# Altium PCB DT01.PcbDoc (part 2 of 3)
Units mil, origin at the board's own origin, x right, y up, seen from the top; angles counter-clockwise.
Board outline 2134.7 x 2226.1 mil, 2 copper layers (Top Layer, Bottom Layer), stack 57.918 mil thick; 95 components, 87 nets, 468 pads, 300 vias.
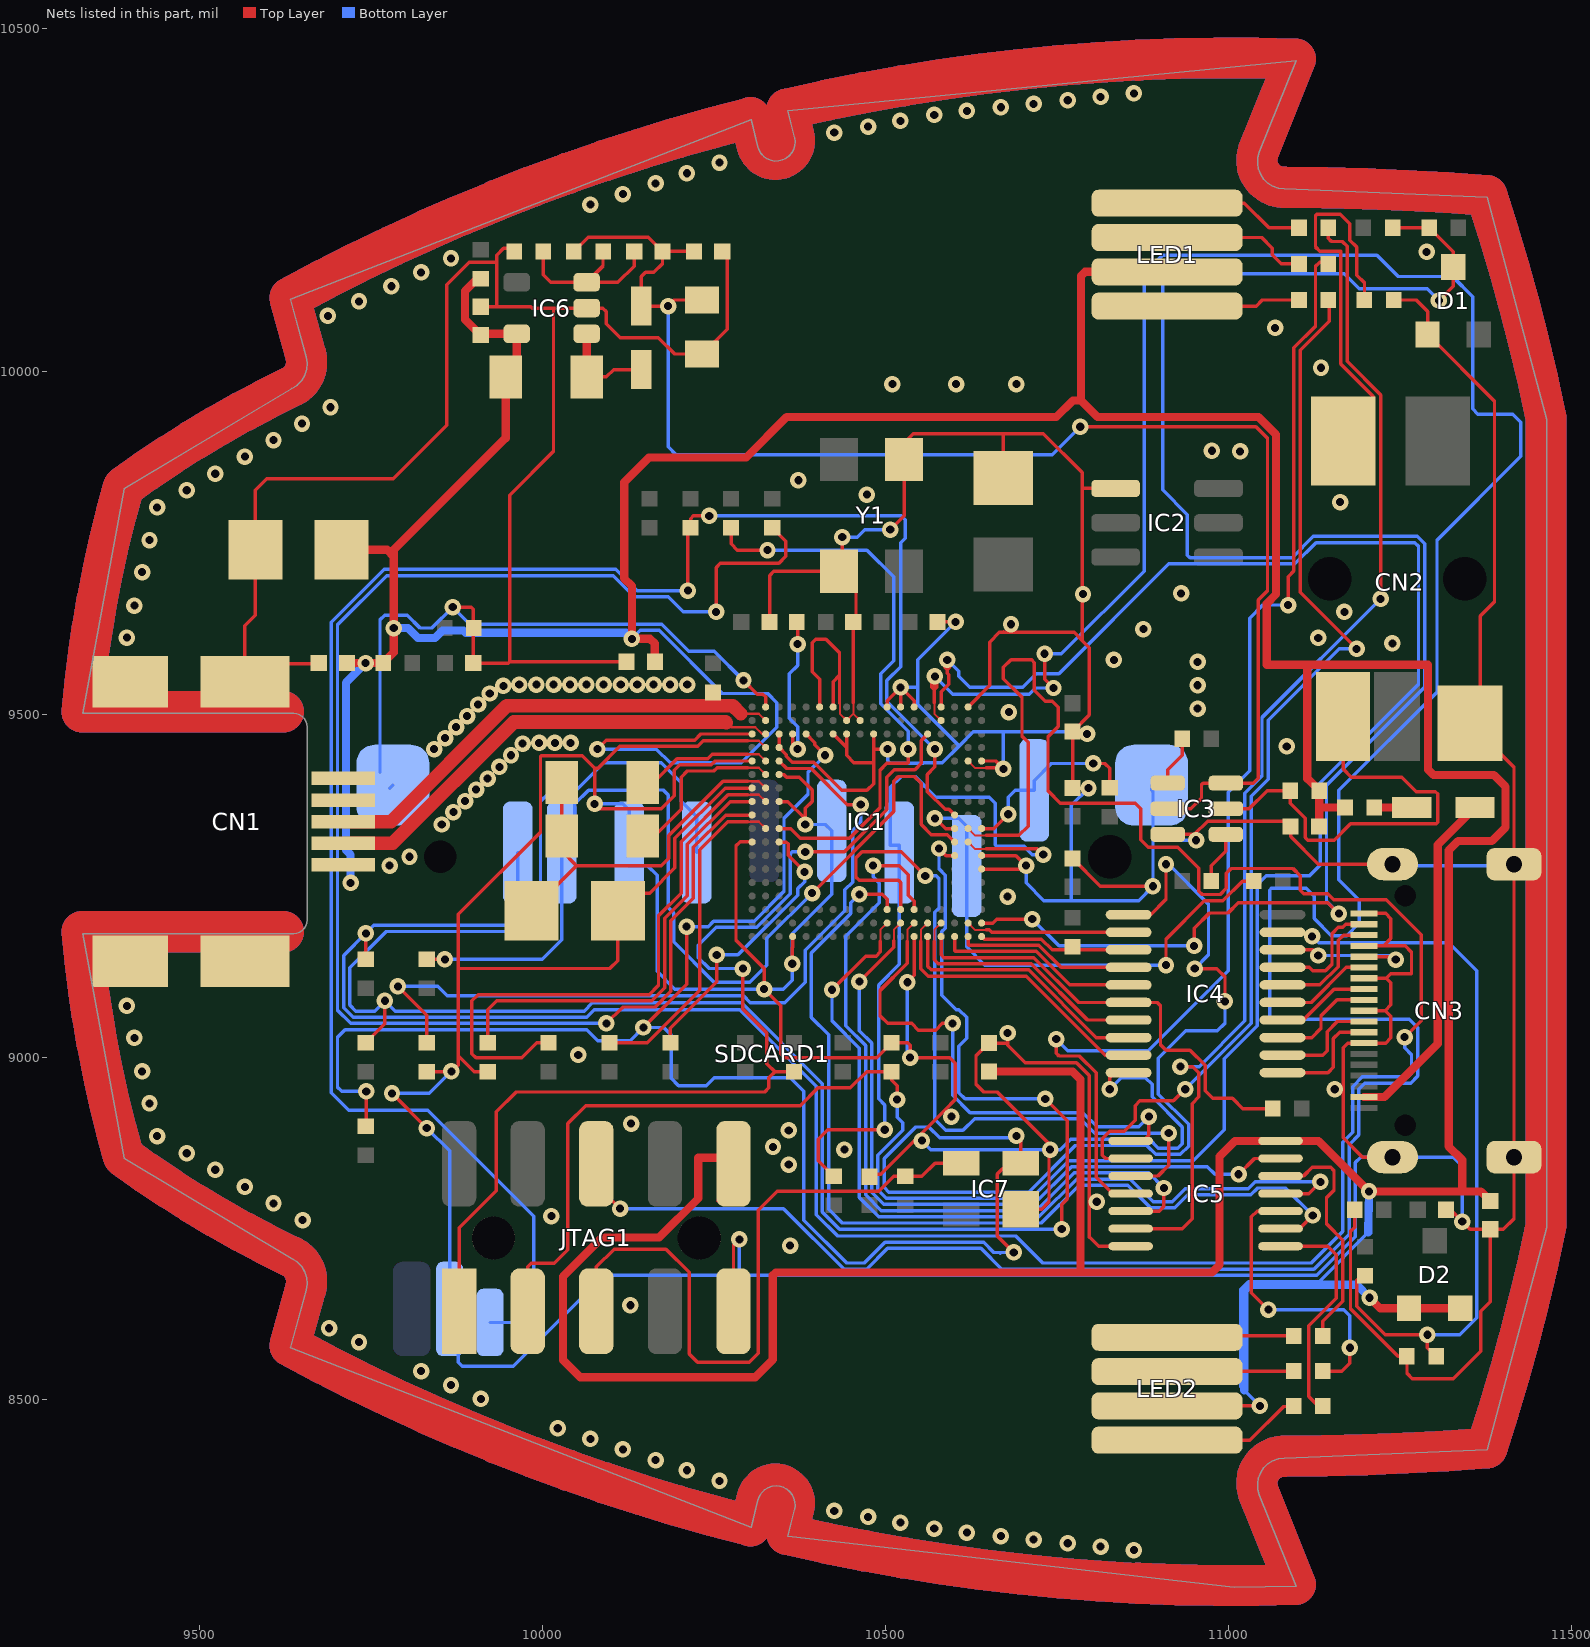
[diagram p2: the nets of this part, all layers, seen from the top]

## Via types
v1: diameter 24, hole 11.81, Top Layer to Bottom Layer, tented both sides, 295 vias
v2: diameter 24.02, hole 11.81, Top Layer to Bottom Layer, tented both sides, 5 vias

## Nets (pads, with @x,y where several pads share a name; then routed paths per layer and width w, separated by ;. In a path a pad name is that pad's centre, name@x,y a point inside that pad or via, vN(x,y) a via of type N, cw(c..) or ccw(c..) an arc to the next point about the centre after c; other vN are vias at no path point) (continued)
5V0: C15.2 C16.2 C17.2 C18.2 C19.1 C20.1 C21.1 CN1.1 D2.1 D2.2 IC1.T18 IC5.14 IC6.5 JTAG1.10 L3.1 LED1.A LED2.A R18.2 R20.2 R37.1 R42.1 | length 9669.8
  Top Layer w5: CN1.1@9709.36,9280.11 CN1.1@9710.34,9279.12 ; C18.2@9713.01,9572.3 C18.2@9715.04,9574.34 ; R42.1@9909.38,10134.7 R42.1@9909.87,10134.7 ; C15.2@9909.67,10052.76 C15.2@9909.87,10052.56 ; v1(10080.01,9449.02) 10093.01,9462.02 10222.01,9462.02 10230.91,9470.92 IC1.T18@10305.52,9470.92 ; JTAG1.10@10255.25,8790.07 10278.38,8813.21 JTAG1.10@10278.38,8844.21 10278.38,8849.02 JTAG1.10@10278.39,8900.76 ; JTAG1.10@10270.01,8790.07 JTAG1.10@10278.38,8798.45 ; LED2.A@10910.6,8491.32 v1(11045.79,8491.32) ; C20.1@11132,9336.21 11132.51,9336.72 11132.51,9363.74 ; 11132.53,9363.76 R20.2@11132.53,9388.34
  Top Layer w12: C19.1@9707.18,9739.65 9773.15,9739.65 9783.01,9729.79 ; C18.2@9715.04,9574.34 v1(9742,9574.34) R18.2@9767.66,9574.34 9783.01,9589.69 v1@9783.01,9625 ; v1(9783.01,9625.49) 9783.01,9729.79 ; R42.1@9909.38,10134.7 9904.69,10134.7 9887.01,10117.02 9887.01,10075.02 9909.47,10052.56 9909.67,10052.76 9911.44,10054.53 IC6.5@9962.36,10054.53 9962.36,10007.65 L3.1@9946.26,9991.56 9946.27,9902.28 9783.01,9739.02 9783.01,9729.79 ; C21.1@10163.75,9576.31 10163.75,9602.85 10156.85,9609.74 v1(10130.28,9609.74) 10130.28,9686.72 10119,9698 10119,9838 10155,9874 10297,9874 10356,9933 10749,9933 10773.23,9957.23 10785,9957.23 ; JTAG1.10@10278.38,8844.21 JTAG1.10@10269.59,8853 ; JTAG1.10@10278.39,8849.02 10274.4,8853 JTAG1.10@10269.59,8853 ; C16.2@10650.82,8979.01 10772.99,8979.01 10784.51,8967.49 10784.51,8686.49 ; LED1.A@10910.6,10144.87 10790.87,10144.87 10785,10139 10785,9957.23 ; C20.1@11132,9336.21 11132.51,9336.72 11132.51,9363.74 ; 11132.51,9363.78 R20.2@11132.51,9388.36 11115,9405.88 11115,9572 ; 11132.53,9363.76 11132.77,9364 R37.1@11169.99,9364 ; v1(11206,8649) 11221.41,8633.59 D2.1@11263.33,8633.59 D2.2@11338.13,8633.59 ; 11341,8805 11341,8850 11321.19,8869.81 11321.19,9301.19 11335,9315 11384,9315 11403.86,9334.86 11403.86,9394.14 11387,9411 11299,9411 11291,9419 11291,9572 11115,9572 ; C17.2@11381.93,8790.08 11368.01,8804 v1(11205,8804) 11131.34,8877.66 IC5.14@11075.97,8877.66 11009.66,8877.66 10987,8855 10987,8697 10976,8686 10340.07,8686 10335.79,8681.72 10335.79,8558.79 10310,8533 10055,8533 10030,8558 10030,8680 10087,8737 10170,8737 10227,8794 10227,8853 JTAG1.10@10269.59,8853 ; 10785,9957.23 10809.23,9933 11044,9933 11069.51,9907.49 11069.51,9674.71 11056,9661.21 11056,9572 11115,9572
  Bottom Layer w5: v1(10080.01,9449.02) 10165.73,9449.02 10185.92,9428.83 10289.9,9428.83 10341.7,9480.63 10341.7,9516.41 10328.06,9530.04 10262.26,9530.04 10170.29,9622.02 10142.55,9622.02 v1(10130.28,9609.74) ; v1(11045.79,8491.32) 11023,8514.11 11017.85,8519.26 11017.85,8661.17 11029.31,8672.63 11132.23,8672.63 11203.82,8744.22
  Bottom Layer w12: v1(9720,9254) 9720,9295 9713.5,9301.5 9713.5,9545.84 v1(9742,9574.34) ; v1(9783.01,9625.49) 9803.63,9625.49 9818.11,9611 9842.98,9611 9854,9622.02 9884.63,9622.02 9888.13,9618.52 10121.51,9618.52 v1(10130.28,9609.74) ; 11023,8514.11 11023,8659 11032,8668 11187,8668 v1(11206,8649) ; 11203.82,8744.22 v1(11205,8804)
12V: C4.2 C5.2 C6.2 D4.2 IC3.2 IC3.6 R40.2 | length 2174.7
  Top Layer w5: R40.2@10045.81,10174.58 10066.45,10195.22 10154.25,10195.22 C6.2@10174.89,10174.58 ; C5.2@10222.94,10174.58 C5.2@10220.81,10174.58 C6.2@10174.89,10174.58 ; C4.2@10232.62,10103.74 10191.86,10103.74 v1(10183.01,10094.89) D4.2@10144.06,10094.89 10144.06,10138 10150.06,10144 10162,10144 10174.89,10156.89 C6.2@10174.89,10174.58 ; v1(10784.01,9919.02) 11040.28,9919.02 11057.01,9902.29 11057.01,9679.89 11043.5,9666.38 11043.5,9406.52 11036,9399.02 IC3.6@10996.58,9399.02 ; IC3.2@10895.97,9361.98 IC3.2@10911.57,9361.98 10945.24,9361.98 10960.78,9377.52 10960.78,9397.16 10963.01,9399.39 IC3.6@10996.22,9399.39
  Bottom Layer w5: v1@10181.45,10093.33 v1(10183.01,10094.89) 10183.01,9889.61 10194.6,9878.02 10743.01,9878.02 v1(10784.01,9919.02)
CARD_DET: IC1.K3 R22.1 SDCARD1.SW3 | length 2746.8
  Top Layer w5: v1(10212.01,9680.02) 10212.01,9767.72 R22.1@10215.89,9771.61 10215.89,9784.9 10220.01,9789.02 v1(10243.01,9789.02) ; v1(10572.01,9449.02) 10572.01,9422.96 10561.01,9411.96 10561.01,9387.02 10587.01,9361.02 10592.59,9361.02 IC1.K3@10600.8,9352.81
  Bottom Layer w5: SDCARD1.SW3@9923.5,8612.95 9968.9,8612.95 9987.01,8631.05 9987.01,8768.03 9832.52,8922.52 9717.2,8922.52 9692,8947.72 9692,9634.14 9768.88,9711.02 10106.7,9711.02 10137.7,9680.02 v1(10212.01,9680.02) ; v1(10243.01,9789.02) 10523.01,9789.02 10528.8,9783.22 10528.8,9756.36 10522.01,9749.57 10522.01,9569.02 10502.01,9549.02 10502.01,9519.02 v1(10572.01,9449.02)
D+: CN1.3 IC1.U17 R16.1 | length 688.2
  Top Layer w3: 10295.71,9500.5 10315.32,9500.5 IC1.U17@10325.21,9490.61
  Top Layer w20: CN1.3@9709.38,9343.1 9779.01,9343.1 9948.24,9512.33 10248.36,9512.33 10277.12,9512.33 10288.95,9500.5
D-: CN1.2 IC1.T17 | length 698.2
  Top Layer w3: 10268.01,9487.5 10274.69,9480.81 10310.4,9480.81 10320.29,9470.92 IC1.T17@10325.21,9470.92 IC1.T17@10327.18,9470.92
  Top Layer w20: CN1.2@9709.38,9311.6 9781.46,9311.6 9958.18,9488.33 10267.18,9488.33 10268.01,9487.5
GND: C1.2 C2.1 C3.2 C4.1 C5.1 C7.1 C8.1 C9.1 C10.2 C11.2 C12.2 C13.2 C14.2 C15.1 C16.1 C17.1 C18.1 C19.2 C20.2 C21.2 CN1.4 CN1.5 CN1.MH1 CN1.MH2 CN1.MH3 CN1.MH4 CN2.1 CN3.1 CN3.4 CN3.7 CN3.10 CN3.13 CN3.MH1 CN3.MH2 CN3.MH3 CN3.MH4 D1.1 IC1.A6 IC1.A15 IC1.F1 IC1.G1 IC1.H18 IC1.L16 IC1.M18 IC1.N16 IC1.P1 IC1.P2 IC1.P18 IC1.R16 IC1.R17 IC1.T9 IC1.T11 IC1.T12 IC1.T16 IC1.U10 IC1.U11 IC1.V2 IC1.V6 IC1.V7 IC1.V8 IC1.V12 IC1.V13 IC1.V17 IC2.1 IC3.3 IC4.10 IC5.7 IC6.2 IC7.1 JTAG1.9 JTAG1.PEGA JTAG1.PEGB R4.2 R6.2 R15.2 R17.2 R19.2 R21.2 R32.1 R45.1 SDCARD1.3 SDCARD1.6 SDCARD1.MH1 SDCARD1.MH2 SDCARD1.SW1 Y1.2 Y1.4 | length 35773.3
  Top Layer w3: 10299.03,9461.13 10315.32,9461.13 IC1.R17@10325.21,9451.24 ; 10433.43,9515.92 10433.43,9500.5 IC1.U11@10443.27,9490.66 ; IC1.U11@10443.22,9490.61 IC1.U11@10443.27,9490.66 ; IC1.U11@10443.32,9490.61 IC1.U11@10443.27,9490.66 ; 10453.11,9516.82 10453.11,9500.5 ; IC1.U10@10463,9490.61 10453.11,9500.5 ; IC1.P2@10620.48,9431.55 10630.37,9421.66 10646.66,9421.66 ; IC1.U11@10443.27,9490.66 10453.11,9500.5
  Top Layer w5: CN1.MH3@9398.64,9139.36 9398.64,9171.02 CN1.MH4@9565.96,9171.02 ; CN1.MH2@9398.64,9546.84 9398.64,9515.02 CN1.MH1@9565.96,9515.02 ; CN1.MH4@9565.96,9139.36 CN1.MH4@9566.3,9139.02 ; C18.1@9673.7,9574.34 9673.01,9573.64 9592.77,9573.64 CN1.MH1@9565.96,9546.84 9565.97,9629.02 9581.2,9644.25 C19.2@9581.2,9739.65 9581.2,9826.2 9598,9843 9782,9843 9860,9921 9860,10126.02 9893,10159.02 9933.01,10159.02 ; v1(9780.49,8947) v1(9831.14,8896.34) ; R4.2@9831.15,8978.5 9867,8978.5 9867.5,8978.5 9877.01,8988.01 9877.01,9002.02 ; v1(9869.01,9656.02) 9896.06,9656.02 9899.05,9653.03 9899.05,9625.51 C2.1@9899.05,9574.34 9950.21,9574.34 9952.18,9576.31 ; C15.1@9909.87,10093.9 9933.01,10093.9 ; R6.2@9919.96,8978.5 9900.52,8978.5 9877.01,9002.02 ; R45.1@9958.55,10174.58 9958.55,10179.02 9943.01,10179.02 9933.01,10169.02 9933.01,10159.02 ; IC6.2@10053.01,10092.03 10016,10092.03 ; IC6.2@10064.36,10092.03 10088.01,10092.03 10093.01,10087.03 10093.01,10069.02 10113.01,10049.02 10168.66,10049.02 10192.67,10025 C4.1@10232.62,10025 10269.02,10061.4 10269.02,10167.7 C5.1@10262.15,10174.58 ; C1.2@10109.64,9213.21 10109.64,9140.4 10098.26,9129.02 9878.52,9129.02 9877.01,9130.54 ; C21.2@10122.41,9576.31 9952.18,9576.31 ; C1.2@10129.64,9239.02 10156.01,9239.02 10193.01,9276.02 10193.01,9319.02 10266.17,9392.18 IC1.M18@10305.52,9392.18 ; JTAG1.9@10278.38,8629.21 10278.38,8725.38 v1(10287,8734) ; v1(10293.01,9549.02) 10312.97,9529.06 10321.18,9529.06 10325.21,9525.02 IC1.V17@10325.21,9510.29 IC1.V17@10323.01,9510.29 ; 10299.03,9461.13 10234.12,9461.13 10226.01,9453.02 10112.8,9453.02 10080.8,9421.02 10076.01,9421.02 ; IC1.P18@10305.52,9431.55 10251.54,9431.55 10246.01,9426.02 10200.01,9426.02 10192.01,9418.02 10192.01,9381.02 10173.01,9362.02 10083.01,9362.02 v1(10076.01,9369.02) 10076.01,9421.02 ; IC1.H18@10305.52,9313.44 10303.01,9313.44 10303.01,9314.02 10288.01,9314.02 10282.01,9308.02 10282.01,9170.02 10323.01,9129.02 v1(10323.01,9099.02) 10347.01,9075.02 10347.01,9005.02 10353.01,8999.02 10487.03,8999.02 R15.2@10508.88,9020.86 10532.2,9020.86 10536.01,9017.06 v1(10536.01,8999.02) 10594.01,8999.02 10602.01,8991.02 10602.01,8938.02 10586.49,8922.51 10547.49,8883.51 10493.01,8829.02 10476.65,8829.02 C9.1@10476.65,8825.52 ; C12.2@10331.03,9634.36 10331.03,9702.03 10337.34,9708.34 Y1.2@10432.1,9708.33 10437.01,9713.24 v1(10437.01,9758.02) ; IC1.T16@10343.01,9470.92 IC1.T16@10344.89,9470.92 IC1.R16@10344.89,9451.24 ; IC1.L16@10344.89,9372.5 10357.68,9372.5 v1@10383.01,9347.17 ; IC1.N16@10344.89,9411.87 10351.85,9411.87 10355.7,9408.02 10374.32,9408.02 10393.01,9389.33 10393.01,9372.6 10383.01,9362.6 v1@10383.01,9347.17 ; IC1.R16@10344.9,9449.13 IC1.R16@10344.89,9451.24 ; v1(10364.01,9136.02) 10364.01,9159.49 ; 10364.58,9160.06 IC1.A15@10364.58,9175.65 ; v1(10383.01,9339.02) v1@10383.01,9347.17 ; IC1.V13@10403.95,9510.29 10404.01,9510.29 10404.01,9550.75 10393.01,9561.75 10393.01,9604.01 10398.14,9609.14 10413.23,9609.14 10433.01,9589.36 10433.01,9556.61 ; IC1.T12@10423.63,9469.02 10423.01,9469.02 10423.01,9470.92 IC1.T12@10423.63,9470.92 10443.32,9451.24 ; IC1.V12@10423.63,9510.29 10423.63,9547.24 10433.01,9556.61 ; 10433.01,9515.92 10433.01,9556.61 ; IC1.T11@10443.01,9470.92 IC1.T11@10443.32,9470.92 10443.32,9451.24 ; C13.2@10453.03,9634.36 10453.03,9516.9 10453.11,9516.82 ; C13.2@10457.01,9639.02 Y1.2@10457.01,9708.33 ; 10482.01,9429.02 10454.01,9429.02 10443.32,9439.71 10443.32,9451.24 ; IC1.V8@10502.01,9509.02 IC1.V8@10502.37,9509.02 ; IC1.V8@10502.37,9510.29 10502.38,9519.39 v1(10522.01,9539.02) ; v1(10503.01,9449.02) 10482.69,9449.02 ; v1(10507.01,9769.02) 10527.11,9789.12 Y1.4@10527.1,9871.33 ; IC1.V7@10522.06,9510.29 10522.06,9538.97 10541.74,9519.28 IC1.V6@10541.74,9510.29 ; Y1.4@10527.11,9895.52 10540.61,9909.02 10673.45,9909.02 ; v1(10532.01,9109.02) 10542.01,9119.02 IC1.A6@10542.01,9175.65 ; IC1.A6@10541.74,9176.13 IC1.A6@10541.98,9175.89 ; C14.2@10574.01,9632.32 C14.2@10576.04,9634.36 v1(10602.35,9634.36) ; IC1.V2@10620.48,9510.29 10652.01,9541.81 10652.01,9605.02 10666.01,9619.02 10683,9619.02 10775.01,9619.02 10787.01,9607.02 ; IC1.F1@10640.17,9274.07 10700.06,9274.07 v1(10705.01,9279.02) 10690.27,9293.76 IC1.G1@10640.17,9293.76 ; IC1.P1@10640.17,9431.55 10660.47,9431.55 v1@10670.27,9421.76 ; IC1.G1@10641.96,9291.97 IC1.G1@10643.01,9293.02 ; 10646.66,9421.66 v1@10670.36,9421.66 ; C10.2@10671.49,9843.97 10671.49,9907.06 10673.45,9909.02 ; 10672.04,9620.04 ccw(c10674.5,9622.5) 10674.5,9619.02 ; v1(10678,9035) 10678,9020.35 ; IC7.1@10697.08,8778.28 10727.58,8778.27 10738.39,8789.09 10738.39,8865 10738.39,8873.63 10663.01,8949.02 10643.01,8949.02 10632.01,8960.02 10632.01,9001.54 C16.1@10650.82,9020.35 10678,9020.35 ; C11.2@10772.84,9288.18 C11.2@10772.84,9289.49 10813.31,9249.02 v1(10890.01,9249.02) ; C8.1@10772.84,9392.31 C7.1@10772.84,9474.46 10797.01,9498.63 10797.01,9597.02 10787.01,9607.02 ; v1(10827,8953) 10827,8970 10834.17,8977.17 IC4.10@10854.51,8977.17 ; IC2.1@10835.6,9829.01 10787.01,9829.01 ; IC2.1@10835.6,9830.16 10841.71,9830.16 IC2.1@10840.56,9829.01 ; IC5.7@10857.46,8724.12 10810.88,8724.12 10798.01,8736.99 10797.01,8736.99 10797.01,8789 10797.01,8973 10778.49,8991.51 10703.5,8991.51 10678,9017.01 10678,9020.35 ; IC3.3@10916,9329.01 IC3.3@10911.57,9324.58 10950.19,9324.58 10969.63,9344.02 11082.86,9344.02 C20.2@11090.66,9336.21 11090.66,9321.5 11131,9281.16 CN3.MH4@11239.2,9281.16 ; R21.2@11184.01,8777.18 11184.01,8752.01 11178,8746 11178,8633 11247.25,8563.75 R32.1@11260.38,8563.75 11260.38,8538.62 11268,8531 11328,8531 11368,8571 11368,8629 11382,8643 C17.1@11382,8748.74 ; CN3.10@11197.86,9067.58 11228.57,9067.58 ; CN3.7@11197.86,9114.82 11230.42,9114.82 ; CN3.4@11197.86,9162.07 11226.22,9162.07 ; CN3.1@11197.86,9209.02 11193.01,9209.02 11193.01,9209.31 CN3.1@11197.86,9209.31 11229.35,9209.31 11237.01,9201.66 11237.01,9172.85 11226.22,9162.07 ; CN3.MH1@11239.2,8854 11195.48,8854 11167.5,8881.98 11167.5,8953 11167.5,9013.51 11174.32,9020.33 CN3.13@11197.86,9020.33 11229.14,9020.33 11237.01,9028.2 11237.01,9059.14 11228.57,9067.58 ; R19.2@11240.75,10103.73 11273.67,10103.73 11290.41,10086.99 D1.1@11290.41,10053.53 11388.01,9955.94 11388.01,9664.02 11367.01,9643.02 CN2.1@11367.01,9489.02 ; C3.2@11317.37,8777.18 11323.82,8777.18 v1(11341,8760) 11352.26,8748.74 C17.1@11381.93,8748.74 C17.1@11382,8748.74 ; CN2.1@11352.38,9489.02 CN2.1@11352.38,9486.71 11416.36,9422.73 CN3.MH3@11416.36,9281.16 CN3.MH2@11416.36,8854 11416.36,8764.36 11400.74,8748.74 C17.1@11382,8748.74 ; 9877.01,9002.02 9877.01,9130.54 ; 9877.01,9130.54 9877.01,9208.02 9997.01,9328.02 9997.01,9438.02 9998.01,9439.02 10058.01,9439.02 10076.01,9421.02 ; 9933.01,10093.9 9983.01,10093.9 9984.87,10092.03 10016,10092.03 ; 9933.01,10093.9 9933.01,10159.02 ; 9952.18,9576.31 9952.18,9819.18 10016,9883 10016,10092.03 ; IC1.R16@10344.89,9451.24 10355.53,9440.6 10355.53,9438.49 10364.35,9429.67 10395.35,9429.67 10436.01,9389.02 10473.01,9389.02 10482.69,9398.7 10482.69,9449.02 ; 10482.69,9449.02 IC1.T9@10482.69,9469.34 ; IC1.T9@10482.69,9469.34 IC1.T9@10482.69,9470.92 IC1.T9@10482.69,9469.34 ; 10673.45,9909.02 10730.28,9909.02 10787.01,9852.29 10787.01,9829.01 ; 10787.01,9607.02 10787.01,9675 10787.01,9829.01 ; 11226.22,9162.07 11257.93,9162.07 11267,9153 11267,9121 11266.59,9121.41 11237.01,9121.41 11230.42,9114.82 ; 11228.57,9067.58 11236.91,9075.92 11236.91,9108.34 11230.42,9114.82
  Top Layer w60: 9622,9182.61 9565.96,9182.61 9398.64,9182.61 9328.42,9182.61 ccw(c11116.51,9343.04) 9388.86,8854.97 ccw(c10303.51,10107.8) 9633.7,8708.68 cw(c9616.7,8673.17) 9654.65,8662.69 9631.51,8578.94 ccw(c11007.41,11111.18) 10303.15,8316.66 10312.86,8356.21 cw(c10339.63,8349.64) 10366.39,8343.07 10356.73,8303.7 ccw(c11007.41,11111.18) 11097.83,8230.7 11044.32,8363.83 cw(c11080.85,8378.51) 11080.68,8417.88 ccw(c11063.75,12502.73) 11376.58,8429.84 ccw(c8605.87,9343.04) 11463.13,8754.11 11463.13,8854 11463.13,9281.16 11463.13,9931.98 ccw(c8605.87,9343.04) 11376.58,10256.24 ccw(c11063.75,6183.36) 11080.68,10268.2 cw(c11080.85,10307.57) 11044.32,10322.26 11097.83,10455.38 ccw(c11007.41,7574.91) 10356.73,10382.38 10366.39,10343.02 cw(c10339.63,10336.45) 10312.86,10329.88 10303.15,10369.43 ccw(c11007.41,7574.91) 9631.51,10107.14 9654.65,10023.4 cw(c9616.7,10012.92) 9633.7,9977.41 ccw(c10303.51,8578.29) 9388.86,9831.12 ccw(c11116.51,9343.04) 9328.42,9503.48 9398.64,9503.48 9565.96,9503.48 9622,9503.48
  Bottom Layer w5: SDCARD1.MH2@9763.01,9415.18 9763.01,9637.3 9769.89,9644.18 9802.61,9644.18 9821.3,9625.49 9838.47,9625.49 v1(9869.01,9656.02) 9894.01,9631.02 10174.01,9631.02 10213.14,9591.89 10250.14,9591.89 v1(10293.01,9549.02) ; SDCARD1.MH2@9777.01,9391.64 SDCARD1.MH2@9781.77,9396.41 ; v1(9780.49,8947) 9835,8947 v1(9867,8979) ; v1(9831.14,8896.34) 9864.45,8863.04 SDCARD1.SW1@9864.45,8632.63 ; SDCARD1.SW1@9877.01,8632.63 9877.01,8555.02 9883.01,8549.02 9957.12,8549.02 10089.73,8681.63 10287,8681.63 ; v1(10076.01,9369.02) 10117.13,9369.02 10126.34,9359.81 10126.26,9359.72 SDCARD1.6@10126.26,9298.18 SDCARD1.6@10126.34,9298.27 ; SDCARD1.6@10126.26,9279.02 10153.01,9279.02 10167.01,9265.02 10167.01,9125.02 10193.01,9099.02 v1(10323.01,9099.02) 10351.18,9099.02 10364.01,9111.84 v1(10364.01,9136.02) 10364.01,9179.75 10421.54,9237.28 SDCARD1.3@10421.54,9329.68 10412.2,9339.02 v1(10383.01,9339.02) ; v1(10287,8734) 10287,8681.63 ; v1(10437.01,9758.02) 10458.6,9758.02 10469.6,9769.02 v1(10507.01,9769.02) ; v1(10503.01,9449.02) 10503.01,9431.75 10506.73,9428.02 10555,9428.02 10556,9429.02 10583.01,9429.02 10607.51,9453.52 ; v1(10522.01,9539.02) 10547.01,9539.02 ; v1(10532.01,9109.02) 10532.01,9003.02 v1(10536.01,8999.02) ; v1(10553,8878) 10566,8865 v1(10740,8865) 10755,8865 10770.02,8880.02 10884.98,8880.02 10897.98,8867.02 10926.29,8867.02 10933,8873.73 10933,8898 10889,8942 10889,8960.02 10879,8970.02 10844.02,8970.02 v1(10827,8953) ; v1(10602.35,9634.36) 10547.01,9579.02 10547.01,9539.02 ; v1(10672.01,9420.02) 10672.01,9474.02 ; v1(10705.01,9279.02) 10705.01,9254 10730.99,9228.02 10771,9228.02 ; v1(10794,9471) 10790.98,9474.02 10672.01,9474.02 ; v1(10796,9392) 10771,9367 10771,9228.02 ; SDCARD1.MH1@10888.07,9396.41 10888.07,9389.02 10890.01,9387.08 v1(10890.01,9249.02) 10869.01,9228.02 10771,9228.02 ; 10892.01,9316 v1(10953,9316) ; 11185.01,8845.18 11185.01,8738.13 11128.5,8681.63 10287,8681.63 ; 11185.01,8846.16 11192.84,8854 CN3.MH1@11239.2,8854 11328,8854 11341,8841 v1(11341,8760) ; CN3.MH4@11239.2,9281.16 11243.01,9281.16 11243.01,9279.02 11413.01,9279.02 11413.01,9281.16 CN3.MH3@11416.36,9281.16 ; 10547.01,9539.02 10547.01,9514.02 10607.51,9453.52 ; 10607.51,9453.52 10628.01,9474.02 10672.01,9474.02
  Bottom Layer w60: 9622,9182.61 9366.52,9182.61 9328.42,9182.61 ccw(c11116.51,9343.04) 9388.86,8854.97 ccw(c10303.51,10107.8) 9633.7,8708.68 cw(c9616.7,8673.17) 9654.65,8662.69 9631.51,8578.94 ccw(c11007.41,11111.18) 10303.15,8316.66 10312.86,8356.21 cw(c10339.63,8349.64) 10366.39,8343.07 10356.73,8303.7 ccw(c11007.41,11111.18) 11097.83,8230.7 11044.32,8363.83 cw(c11080.85,8378.51) 11080.68,8417.88 ccw(c11063.75,12502.73) 11376.58,8429.84 ccw(c8605.87,9343.04) 11463.13,8754.11 11463.13,8854 11463.13,9281.16 11463.13,9931.98 ccw(c8605.87,9343.04) 11376.58,10256.24 ccw(c11063.75,6183.36) 11080.68,10268.2 cw(c11080.85,10307.57) 11044.32,10322.26 11097.83,10455.38 ccw(c11007.41,7574.91) 10356.73,10382.38 10366.39,10343.02 cw(c10339.63,10336.45) 10312.86,10329.88 10303.15,10369.43 ccw(c11007.41,7574.91) 9631.51,10107.14 9654.65,10023.4 cw(c9616.7,10012.92) 9633.7,9977.41 ccw(c10303.51,8578.29) 9388.86,9831.12 ccw(c11116.51,9343.04) 9328.42,9503.48 9366.52,9503.48 9622,9503.48
  other v1: 10862.29,8280.95 10813.56,8286.07 10765.82,8291.09 10716.09,8296.32 10668.36,8301.33 10618.63,8306.56 10571.06,8312.46 10521.82,8321.14 10474.55,8329.47 10425.31,8338.16 10258,8382.09 10210.45,8397.54 10164.8,8412.37 10117.24,8427.82 10069.69,8443.27 10022.14,8458.72 9910.01,8501.43 9866.5,8521.71 9823,8542 9732.37,8584.26 9688.87,8604.55 10128,8638 9650.11,8762.15 10013,8768 9607.67,8786.65 10808,8789 9566.1,8810.65 9522.8,8835.65 10359,8843 9481.23,8859.65 10440,8865 10336,8869 9437.93,8884.65 10359,8893 10129,8903 10596,8913 9426.91,8932.39 11155,8953 9416.11,8979.16 10052,9003 9404.86,9027.88 9394.07,9074.65 10678,9234 9777.02,9279.12 9806,9292 9853,9339 9870,9357 9887,9373 9903,9390 9920,9406 9937,9423 9954,9440 9842,9449 11085,9453 9971,9457 9995,9458 10018,9458 10041,9458 9858,9465 9874,9481 9890,9497 10680,9503 10955,9508 9906,9514 9923,9530 9943,9541 10955,9542 9966,9543 9991,9543 10016,9543 10040,9543 10064,9543 10089,9543 10114,9543 10138,9543 10162,9543 10186,9543 10211,9543 10955,9576 10833,9579 11239,9603 9394.07,9611.44 11131,9611 10876,9624 10683,9631 11169,9649 9404.86,9658.21 10788,9675 10931,9676 9416.11,9706.93 9426.91,9753.7 9437.93,9801.44 11163,9809 10473,9820 9481.23,9826.44 10373,9841 9522.8,9850.44 9566.1,9875.44 11017,9883 10976,9884 9607.67,9899.44 9649.24,9923.44 9690.81,9947.44 10510,9981 10603,9981 10691,9981 11135,10005 11068,10063 9687.05,10080.69 9732.37,10101.82 9779.5,10123.8 9823,10144.09 9866.5,10164.37 11289,10174 10069.69,10242.81 10117.24,10258.27 10164.8,10273.72 10210.45,10288.55 10258,10304 10425.31,10347.93 10474.55,10356.61 10521.82,10364.95 10571.06,10373.63 10618.63,10379.53 10668.36,10384.75 10716.09,10389.77 10765.82,10395 10813.56,10400.01 10862.29,10405.14
  other v2: 10360.98,8725